# Altium PCB SPG_300.PcbDoc (part 6 of 7) (continued)
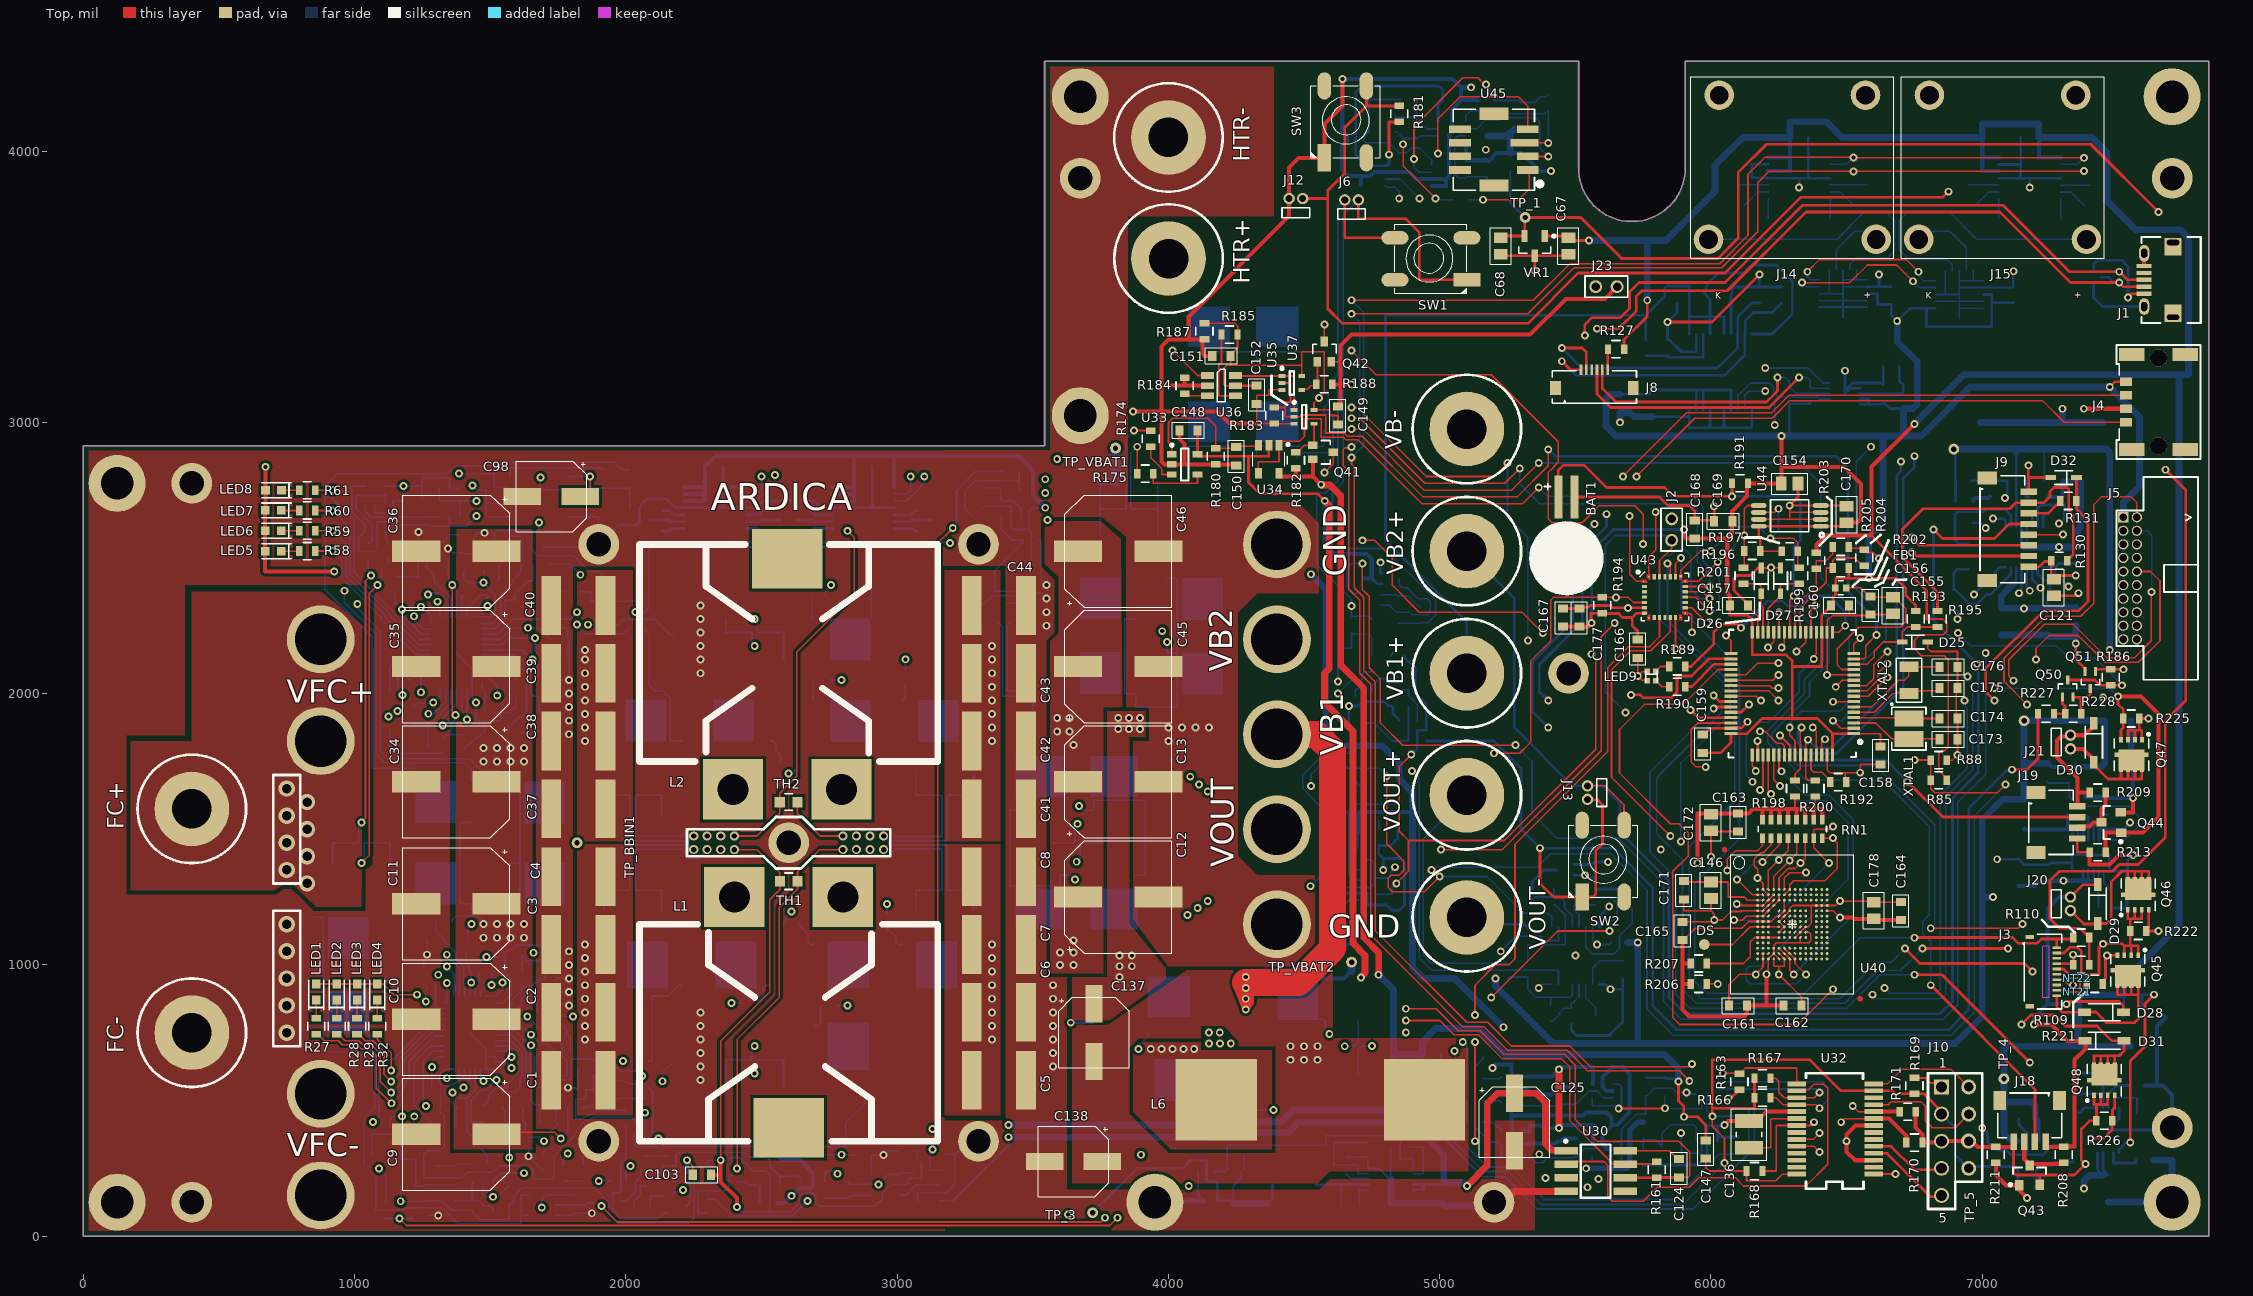
[diagram p0: Top view]
## Nets (pads, with @x,y where several pads share a name; then routed paths per layer and width w, separated by ;. In a path a pad name is that pad's centre, name@x,y a point inside that pad or via, vN(x,y) a via of type N, cw(c..) or ccw(c..) an arc to the next point about the centre after c; other vN are vias at no path point) (continued)
  Top w10: J6.2@4650,3820 4650,3680 SW1.2@4835,3680 ; v1(6820,2605.47) 6853.46,2572.01 7045,2572.01 7098.15,2625.16 J9.4@7171.26,2625.16
  Route2-SIG w250: pad.5@4399.96,2200 4650.02,2200 4725.02,2254.17 VB2+.1@5100,2525
  Route3-GND w250: pad.5@4399.96,2200 4650,2200 4725.01,2254.18 VB2+.1@5100,2525
  Bottom w6: J6.2@4650,3820 4625,3795 4625,3175 4615,3165 4615,3125 4625,3115 4625,2785 4580,2740 4560,2740 4547,2727 4547,2474.57 4675,2346.57 v1(4675,2323.43) R120.2@4675,2284.53 4738.94,2284.53 C120.1@4750,2273.46
  Bottom w10: VB2+.1@5100,2525 5275,2350 5275,1875.04 5490.04,1660 J13.1@5544.84,1660 5600.45,1660 5664.21,1596.24 5664.21,1490 5845,1309.21 5845,880 5905,820 6845,820 6890,865 6890,1613.35 6985,1708.35 6985,2105 v1(6980,2110) 6820,2270 v1(6820,2605.47)
VB2LIM: D15.1 R143.1 R146.2 | length 1514.6
  Route2-SIG w6: v1(1900,203.7) 2051.08,203.7 2172.38,325 2719.01,325 2780,264.01 3074.01,264.01 v1(3130,320)
  Bottom w6: v1(1900,203.7) 1900.24,203.94 D15.1@1949.41,203.94 ; v1(3130,320) 3119.53,309.53 R143.1@3119.53,243.46 R146.2@3175,243.46
VBAT1: NT18.1 Q33.D1 Q33.D2 Q33.D3 Q33.D4 R144.2 R147.2 R162.2 R164.2 TP_VBAT2.1 | length 4108
  Route2-SIG w6: v1(2780,230) 2781.92,230 2797.58,245.66 3420.54,245.66 3615.63,440.75 4240.5,440.75 4415,615.25 4415,708.87 4451.13,745 v1(4593,745)
  Route3-GND w15: v1(4593,745) 4593,650.02 4771.62,471.4 5113.6,471.4 5334.88,250.12 5334.88,196.34 5361.22,170 5459.88,170 v1(5540,250.12)
  Bottom w6: R144.2@2735,199.53 R147.2@2735,240.47 2769.53,240.47 v1(2780,230) ; Q33.D4@4555.12,800 4568.11,800 4577.12,790.99 4577.12,760.88 v1(4593,745) ; NT18.1@4700,760.47 R162.2@4700,793.92 ; R164.2@5750,419.53 R164.2@5750.47,420
  Bottom w15: Q33.D1@4555.12,950 4646.54,950 4675,978.46
  Bottom w20: v1(5540,250.12) 5540.12,250 5688.28,250 5700,261.72 5700,390 5729.53,419.53 R164.2@5750,419.53
  Bottom w30: 4675,978.46 TP_VBAT2.1@4675,1010
VBAT2: C81.1 C86.1 C88.1 C90.1 C92.1 C99.1 C125.1 C137.1 D22.C NT16.2 NT19.2 Q27.D1 Q27.D2 Q27.D3 Q27.D4 Q29.D1 Q29.D2 Q29.D3 Q29.D4 Q35.D1 Q35.D2 Q35.D3 Q35.D4 R66.2 R142.2 R149.2 R172.1 R173.1 TP_VBAT1.1 U4.4 U4.5 U4.6 U5.9 U5.10 U6.9 U6.10 U7.1 U7.10 U7.14 U30.1 | length 11746.6
  Top w25: v1(5100,185.47) 5175,260.47 5175,488 5213.87,526.87 C125.1@5275,526.87 5354.87,526.87 5390,491.73 5390,340 5413.72,316.28 5465.45,316.28 U30.1@5466.73,315
  Route2-SIG w25: v1(7154.11,2314.21) 7325.79,2314.21 7405,2235 7405,2024.53 v1(7444.53,1985) ; v1(7300,1310) 7675,1310 7730,1255 7730,645 7490,405 7490,242.2 7422.8,175 v1(7375,175)
  Route3-GND w10: v1(7040,2645) 7000,2645 6975,2620 6975,2580 7100,2455 7100,2350 7135.79,2314.21 v1(7154.11,2314.21)
  Route3-GND w15: v1(3410,364.69) 3565,364.69 3640,439.69 v1(3640,786.84)
  Route3-GND w25: v1(5100,185.47) 5139.53,225 5258.02,225 5346.22,136.8 6769.42,136.8 6815,91.22 7291.22,91.22 v1(7375,175) ; v1@7300,1311.08 v1(7300,1310) 7444.53,1454.53 v1(7444.53,1985)
  Bottom w6: R142.2@3152.46,130.47 3205.47,130.47 3410,335 v1(3410,364.69) ; NT16.2@3489.96,2009.88 3499.96,2009.88 R149.2@3499.96,2106.3 ; R172.1@3748.19,2581.15 3748.19,2681.1 ; R173.1@3748.19,2781.1 3748.19,2681.1 ; NT19.2@3793.78,2681.1 3748.19,2681.1
  Bottom w10: v1(3640,786.84) 3724,786.84 D22.C@3739.96,802.8 ; U5.10@4902.87,170.63 4940,170.63 4940,190.31 ; U5.9@4902.87,190.31 4940,190.31 ; C86.1@5015,219.57 C86.1@5015,209.21 5015,190.31 4940,190.31 ; v1(7040,2645) 7078.07,2645 7085.62,2637.45 7085.62,2614.88 U7.1@7085.7,2614.8 ; 7115,2405 7125.11,2415.11 7125.11,2415.35 U7.14@7125.07,2465.2 ; U7.10@7203.81,2465.2 7203.83,2441.68 7227.91,2417.6 7236.69,2417.6 7250,2404.29 7250,2369.49 7240,2359.49 C90.1@7240,2314.21 ; 7371.47,1310 U4.6@7371.47,1349.88 ; U4.5@7391.16,1349.88 7391.16,1310 7410.84,1310 U4.4@7410.84,1349.88 ; U6.10@7425,307.13 7425,244.8 7445.59,224.21 C88.1@7464.37,224.21 7444.69,243.9 U6.9@7444.69,307.13
  Bottom w15: C81.1@7134.49,1290.79 7135.28,1290 7192.4,1290 7208.56,1306.16 7240.69,1306.16 R66.2@7245,1310.47 7245,1310 v1(7300,1310) 7371.47,1310 7391.16,1310
  Bottom w25: v1(3410,364.69) 4137.07,364.69 4155.08,382.69 4442.69,382.69 4480,420 4895,420 5015,300 C86.1@5015,219.57 ; R173.1@3748.19,2781.1 3805,2781.1 ; C86.1@5015,209.21 5028.09,196.12 5089.35,196.12 v1(5100,185.47) ; 7115,2405 7070,2360 C92.1@7070,2314.21 v1(7154.11,2314.21) C90.1@7240,2314.21 7242.13,2316.34 7342.87,2316.34 C99.1@7345,2318.46 ; v1(7375,175) 7375,205 7394.21,224.21 C88.1@7445.59,224.21
  Bottom w40: 3805,2781.1 TP_VBAT1.1@3805,2905.09
  other v2: 3819.96,955 3819.96,995 3864.96,995 3819.96,1035 3864.96,1035 3814.96,1870 3854.96,1870 3894.96,1870 3814.96,1910 3854.96,1910 3894.96,1910
VBAT2DIFF: C143.1 R141.2 R143.2 U23.1 U31.4 | length 3581.1
  Route2-SIG w6: v1(2930.85,190.69) 2963.52,223.37 3432.8,223.37 3630,420.57 5395.57,420.57 5416.73,441.73 5512.83,441.73 5611.81,342.74 5851.88,342.74 v1(5889.13,380)
  Bottom w6: R141.2@2820,200 2829.31,190.69 v1(2930.85,190.69) 2967.56,227.4 U23.1@3006.77,227.4 3013.52,234.15 3051.16,234.15 R143.2@3060.47,243.46 ; v1(5889.13,380) 5890,379.13 C143.1@5890,329.41 5890,305 5965.31,305 U31.4@5965.31,350.51
VFC+: FC+.1 NT13.2 pad.7 Q25.D1 Q25.D2 Q25.D3 Q25.D4 Q26.D1 Q26.D2 Q26.D3 Q26.D4 R111.1 R112.1 R117.2 | length 864.4
  Route2-SIG w6: v1(1068.46,420.57) 1068.46,271.28 v1(1089.75,250)
  Bottom w6: R112.1@918.66,1375 918.66,1450 1014.96,1450 NT13.2@1014.96,1470 ; Q25.D4@1055.08,750 1055.08,727.38 1090,692.46 1090,442.1 v1(1068.46,420.57) ; v1(1089.75,250) 1115,224.75 R117.2@1115,124.53 R117.2@1115,119.53
  other v4: 824.96,1300 749.96,1350 824.96,1400 749.96,1450 824.96,1500 749.96,1550 824.96,1600 749.96,1650
VFCBBEN: Q21.S1 Q21.S2 Q21.S3 Q22.S1 Q22.S2 Q22.S3 Q23.S1 Q23.S2 Q23.S3 Q24.S1 Q24.S2 Q24.S3 R113.2 U19.5 U19.6 | length 2160.2
  Route2-SIG w6: v1(962.34,2379.06) 962.34,2412.34 1353.74,2803.74 1353.74,2826.89 1369.57,2842.72 1396.3,2842.72 1434.82,2804.2 v1(1434.82,2766.73)
  Bottom w6: v1(962.34,2379.06) 962.34,2336.93 1080,2219.27 1080,1777 1112,1745 1405,1745 1430.08,1719.92 Q22.S1@1430.08,1675 ; v1(1434.82,2766.73) 1449.58,2751.97 R113.2@1480.47,2751.97 1485.21,2751.97 1485.21,2651.92 U19.5@1576.95,2651.92 ; 1485.47,2701.92 U19.6@1576.95,2701.92
VFCIS: D18.A NT14.2 Q22.D1 Q22.D2 Q22.D3 Q22.D4 Q23.D1 Q23.D2 Q23.D3 Q23.D4 R111.2 R112.2 | length 2686.7
  Bottom w6: NT14.2@1034.96,1425 1034.96,1450 1131.26,1450 R112.2@1131.26,1375 ; Q22.D4@1219.84,1675 1219.84,1725 1065,1725 1065,2210 890,2385 890,2765 935,2810 1340,2810 1370,2840 1550,2840 1563,2853 1957,2853 1985.2,2824.8 D18.A@2014.96,2824.8
VOUT: D16.C pad.4 Q16.D1 Q16.D2 Q16.D3 Q16.D4 Q18.D1 Q18.D2 Q18.D3 Q18.D4 R97.2 TZ1.C VOUT+.1 | length 2424.8
  Route2-SIG w250: pad.4@4399.96,1500 4775,1500 VOUT+.1@5100,1625
  Route3-GND w250: pad.4@4399.96,1500 4775,1500 VOUT+.1@5100,1625
  Bottom w6: VOUT+.1@5100,1625 4940,1465 4940,1035 4968.94,1006.06 R97.2@5250,1006.06
VOUTLIM: C22.1 C55.1 R17.1 R24.2 R84.2 U1.6 U3.6 | length 3651.7
  Route2-SIG w6: v1(1124.72,1915.26) 1155,1884.98 1155,880.07 1334.28,700.79 v1@1650.4,700.79
  Route3-GND w6: v1(1124.72,1915.26) 1131.22,1915.26 1141.48,1905 1186.26,1905 1273,1991.74 1273,2035.38 1347.62,2110 1640.16,2110 v1(1655.16,2125)
  Bottom w6: U3.6@1469.45,2159.84 1620.32,2159.84 v1(1655.16,2125) 1676.54,2103.62 C55.1@1676.54,2055 ; U1.6@1519.45,759.84 1588.58,759.84 1644.85,703.57 v1(1650.4,703.57) 1648,701.17 1648,588.18 1679.96,556.22 C22.1@1679.96,550.85 ; C22.1@1680.8,550 C22.1@1679.96,550.85 ; R84.2@2000,464.53 1905,464.53 1832,432.41 1815,432.41 1815,505 1842.57,505 1852.57,515 1852.57,540 R24.2@1879.66,540 1879.66,589.15 1889.01,598.5 R17.1@1889.01,643.5 1879.51,653 1798,653 1798,577 1724.26,577 1714.27,567.01 1714.27,547.24 C22.1@1680.8,547.24 1679.96,548.09 C22.1@1679.96,550.85
VTEMP: C105.1 Q14.2 Q15.2 U9.1 U9.4 | length 725.3
  Bottom w6: Q14.2@2094.68,246.5 2094.68,236.87 2098.09,233.46 2131.87,233.46 Q15.2@2135.27,230.06 ; Q15.2@2135.27,228.5 Q15.2@2135.27,230.06 ; 2135.32,259.61 2135.27,259.56 ; 2185,259.13 2184.57,259.56 ; U9.1@2567.4,188.23 2567.4,220.44 ; C105.1@2645,209.37 2633.94,220.44 2567.4,220.44 ; Q15.2@2135.27,230.06 2135.27,259.56 ; 2135.27,259.56 2184.57,259.56 ; 2184.57,259.56 2185,259.99 2185,300.61 2193.39,309 2436.87,309 2436.81,308.94 2453.97,291.77 U9.4@2491.22,291.77 2518.23,291.77 2530,280 2530,257.84 2567.4,220.44
pads on no net: J1.4 J1.8 J1.9 J3.3 J3.8 J3.11 J3.12 J4.13 J4.MT1 J4.MT2 J4.MT3 J4.MT4 J5.6 J5.7 J5.8 J5.9 J5.11 J5.12 J5.13 J5.14 J5.16 J5.18 J5.20 J8.3 J8.7 J8.8 J9.9 J9.10 J14.3 J14.4 J15.3 J15.4 J18.5 J18.6 J19.5 J19.6 L1.3 L2.3 SW1.3 SW1.4 SW2.3 SW2.4 SW3.3 SW3.4 U1.20 U1.24 U3.20 U3.24 U4.7 U4.10 U4.11 U4.12 U4.19 U4.21 U4.22 U4.23 U4.24 U5.8 U6.8 U15.14 U18.5 U19.3 U21.6 U21.15 U22.6 U30.3 U30.5 U31.2 U32.2 U32.6 U32.7 U32.12 U32.22 U32.25 U32.26 U32.27 U38.11 U38.12 U38.14 U38.15 U39.11 U39.12 U39.14 U39.15 U40.A1 U40.A8 U40.A9 U40.A10 U40.A11 U40.A12 U40.A13 U40.A14 U40.B7 U40.B8 U40.B9 U40.B10 U40.B11 U40.B12 U40.B13 U40.B14 U40.C7 U40.C8 U40.C9 U40.C10 U40.C11 U40.C12 U40.C13 U40.C14 U40.E5 U40.E8 U40.E9 U40.E10 U40.E12 U40.E13 U40.F3 U40.F7 U40.F8 U40.F9 U40.F10 U40.F12 U40.F13 U40.F14 U40.G6 U40.G7 U40.G8 U40.G9 U40.G10 U40.G12 U40.G13 U40.G14 U40.H7 U40.H8 U40.H9 U40.H12 U40.H13 U40.H14 U40.J1 U40.J2 U40.J3 U40.J6 U40.J7 U40.J8 U40.J12 U40.J13 U40.J14 U40.K6 U40.K7 U40.K10 U40.K12 U40.K13 U40.K14 U40.L1 U40.L2 U40.L3 U40.L12 U40.L13 U40.L14 U40.M1 U40.M2 U40.M3 U40.M7 U40.M8 U40.M9 U40.M10 U40.M11 U40.M12 U40.M13 U40.M14 U40.N1 U40.N3 U40.N8 U40.N9 U40.N10 U40.N11 U40.N12 U40.N13 U40.N14 U40.P1 U40.P9 U40.P10 U40.P11 U40.P12 U40.P13 U40.P14 U42.3 U42.5 U43.2 U43.3 U43.4 U43.8 U43.9 U43.11 U43.14 U43.17 U43.25 U43.27 U45.5 U45.6 U45.7 U45.8 U45.9 U45.10 U45.11
copper on no net: | length 83.4
  Top w6: 2599.96,400 2599.96,415.57 2603.49,419.1
  Top w10: 6055,1424.99 ccw(c6050,1424.99) 6055,1424.99 ; 6555,874.99 ccw(c6550,874.99) 6555,874.99
  other v3: 2349.56,1425 2849.92,1425 2349.56,1475 2849.92,1475

## Polygon pours and split planes (outlines as drawn)
NetC16_2 on Bottom "Polygon_1_Net_N$189" (solid, remove dead copper, pour order 35): 2669.96,1380 2929.96,1380 2929.96,1105 3016.71,1105 3044.96,1082.4 3044.96,685 3229.96,685 3229.96,350 2804.96,350 2804.96,570 2729.96,570 2729.96,825 2804.96,825 2804.96,875 2729.96,875 2729.96,1092.66 2669.96,1142.66
NetD2_A on Bottom "Polygon_1_Net_N$187" (solid, remove dead copper, pour order 15): 2120,350 2120,529.53 2230.08,529.53 2230.08,412.69 2499.96,412.69 2499.96,640 2544.96,640 2544.96,660 2499.96,660 2499.96,720 2499.96,835 2509.96,835 2509.96,1105 2697.03,1105 2719.96,1082.07 2719.96,555.12 2789.96,555.12 2789.96,350
BBINM on Bottom "Polygon_1_Net_N$182" (solid, remove dead copper, pour order 26): 2049.96,1420 2049.96,1285 2089.96,1285 2089.96,1265 2049.96,1265 2049.96,1240.39 1957.32,1105 1819.96,1105 1819.96,675 2080.21,675 2080.21,885 2164.96,885 2164.96,1107.45 2254.96,1172.91 2254.96,1420
VFC+ on Bottom "Polygon_1_Net_VFC+" (solid, remove dead copper, pour order 48): 1050.35,2207.56 902.19,2350 175,2350 175,1250 767.46,1250 819.96,1197.5 819.96,1167.5 879.96,1167.5 894.96,1152.5 894.96,1122.5 894.96,662.5 1204.96,662.5 1204.96,1109.57 999.96,1314.57 999.96,1440 954.96,1440 954.96,1460 999.96,1460 999.96,1629.96 1050.35,1680.35
BBOUTM on Bottom "Polygon_1_Net_N$183" (solid, remove dead copper, pour order 22): 3374.96,695 3374.96,1105 3252.15,1105 3184.96,1177.79 3184.96,1265 3104.96,1265 3104.96,1285 3149.96,1285 3149.96,1414 2994.96,1414 2994.96,1142.54 3059.96,1092.54 3059.96,695 3244.96,695
BBOUT on Bottom "Polygon_1_Net_BBOUT" (solid, remove dead copper, pour order 36): 3669.96,980 3669.96,1280 3399.96,1280 3399.96,1619.88 3669.96,1619.88 3669.96,1902.07 3582.03,1990 3509.96,1990 3509.96,1930 3490.04,1930.08 3489.83,1975 3389.96,1975 3389.96,1780 3244.96,1780 3194.96,1730 3194.96,1635 3244.96,1635 3244.96,1615 3199.96,1615 3199.96,1285 3244.96,1285 3244.96,1265 3199.96,1265 3199.96,1184.19 3257.73,1120 3394.96,1120 3394.96,980
NetC14_2 on Bottom "Polygon_1_Net_N$185" (solid, remove dead copper, pour order 21): 2544.96,1380 2544.96,1120 2494.96,1120 2494.96,892.93 2487.03,885 2365.02,885 2365.02,865 2272.03,865 2234.96,827.93 2234.96,545 2110,545 2110,870 2159.96,870 2189.96,900 2239.96,900 2239.96,950 2179.96,950 2179.96,1102.56 2269.96,1167.56 2269.96,1380
GND on Bottom "Polygon_1_Net_GND" (solid, remove dead copper, pour order 8): 2244.96,2450 2449.96,2450 2449.96,2235 2404.96,2235 2404.96,2215 2449.96,2215 2449.96,2045 2277.89,2045 2244.96,2077.93
GND on Bottom "Polygon_2_Net_GND" (solid, remove dead copper, pour order 9): 2244.96,822.07 2277.89,855 2449.96,855 2449.96,660 2404.96,660 2404.96,640 2449.96,640 2449.96,425.57 2244.96,425.57
GND on Bottom "Polygon_3_Net_GND" (solid, remove dead copper, pour order 50): 20,1225 749.35,1225 804.93,1164.35 804.86,1150 874.96,1150 874.96,925 800,925 800,875 874.96,875 874.96,665 1060,665 1060,20 20,20
GND on Bottom "Polygon_7_Net_GND" (solid, remove dead copper, pour order 4): 3930,1818.29 3930,1935 4229.96,1935 4229.96,1645 4148.21,1645
GND on Bottom "Polygon_8_Net_GND" (solid, remove dead copper, pour order 17): 4554.96,1207.08 4462.03,1300 4332.89,1300 4257.89,1225 4148.42,1225 3989.96,1117.65 3989.96,1010 4554.96,1010
GND on Bottom "Polygon_9_Net_GND" (solid, remove dead copper, pour order 11): 3394.96,965 3394.96,605 3599.96,605 3599.96,965
GND on Bottom "Polygon_11_Net_GND" (solid, remove dead copper, pour order 7): 4109.96,525 4109.96,635 4129.96,635 4129.96,775 4129.96,1020 4249.96,1020 4249.96,525
VBAT1 on Bottom "Polygon_1_Net_VBAT1" (solid, remove dead copper, pour order 12): 4800,980 4386.93,980 4386.93,765 4540,765 4580,725 4800,725
VBAT2 on Bottom "Polygon_1_Net_VBAT2" (solid, remove dead copper, pour order 25): 3914.55,1850 3684.55,1850 3684.55,1907.93 3582.6,2009.88 3509.55,2009.88 3509.55,2070 3489.71,2070 3489.43,2025 3419.55,2025 3419.55,2220 3584.73,2220 3585.14,2810.18 3649.96,2875 3830,2875 3830,2695 3760,2695 3760,2665 3839.55,2665 3839.55,1935 3914.55,1935
VBAT2 on Bottom "Polygon_3_Net_VBAT2" (solid, remove dead copper, pour order 18): 3614.96,685 3614.96,965 3684.96,965 3684.96,1055 3974.96,1055 3974.96,995 4114.96,995 4114.96,794.21 3849.96,794.21 3849.96,685
NetC137_2 on Bottom "Polygon_2_Net_N$59" (solid, remove dead copper, pour order 13): 4264.96,750.47 4264.96,499.21 4800,499.21 4800,675 4609.84,675 4535.27,748.37
BBIN on Bottom "Polygon_1_Net_BBIN" (solid, remove dead copper, pour order 37): 2005.21,1705 1947.5,1780 1809.96,1780 1809.96,1830 1444.96,1830 1444.96,1720 1574.59,1720 1623.63,1680.77 1623.63,1200.74 1602.89,1180 1457.46,1180 1457.46,1070 1809.96,1070 1809.96,1120 1952.56,1120 2005.21,1195 2005.21,1265 1959.96,1265 1959.96,1285 2005.21,1285 2005.21,1615 1959.96,1615 1959.96,1635 2005.21,1634.74
NetC50_2 on Bottom "Polygon_1_Net_N$80" (solid, remove dead copper, pour order 34): 2669.96,1520 2929.96,1520 2929.96,1738.06 2982.16,1795 3044.96,1795 3044.96,1950 2999.45,1950 2999.45,2140 3229.96,2140 3229.96,2525.47 2899.92,2525.47 2899.92,2315 2729.96,2315 2729.96,2065 2794.96,2065 2794.96,2015 2729.96,2015 2729.96,1780 2669.96,1780
NetD7_A on Bottom "Polygon_1_Net_N$151" (solid, remove dead copper, pour order 14): 2719.96,1795 2719.96,2250 2655,2250 2655,2327.5 2885,2327.5 2884.97,2525 2100,2525 2100,2475 2100,2310 2228.58,2310 2228.62,2465 2499.96,2465 2499.96,2235 2544.96,2234.84 2544.96,2215.16 2499.96,2215 2499.96,2180 2499.96,2045 2504.96,2045 2504.96,1850 2569.96,1850 2569.96,1795
BBINS on Bottom "Polygon_1_Net_N$165" (solid, remove dead copper, pour order 27): 2169.96,2008.31 2152.46,2031.64 2079.96,2031.64 2079.96,2206.64 1819.96,2206.64 1819.96,1796.64 1952.43,1796.64 2019.96,1705 2019.96,1635 2089.96,1635 2089.96,1615 2049.96,1615 2049.96,1480 2254.96,1480 2254.96,1720.08 2169.96,1800
BBOUTS on Bottom "Polygon_1_Net_N$167" (solid, remove dead copper, pour order 24): 2979.96,1510.24 2979.96,1780 3054.96,1780 3054.96,2130 3244.96,2130 3244.96,2220 3374.96,2220 3374.96,1795 3237.46,1795 3179.96,1737.5 3179.96,1635 3104.96,1635 3104.96,1615 3149.96,1615 3149.96,1485 3005.12,1485 2994.96,1495
NetC48_2 on Bottom "Polygon_1_Net_N$201" (solid, remove dead copper, pour order 20): 2529.96,1520 2529.96,1766.88 2494.96,1806.88 2494.96,2030 2277.03,2030 2229.96,2077.07 2229.96,2295 2100.43,2295 2100,2035 2115,2021.7 2148.6,2021.7 2179.96,1990.34 2179.96,1817.93 2202.89,1795 2269.96,1730 2269.96,1520
no net on Bottom "Polygon_1_Net_N$103" (solid, remove dead copper, pour order 2): 1399.96,1455 1599.96,1455 1599.96,1400 1534.96,1400 1534.96,1350 1599.96,1350 1599.96,1195 1514.96,1195 1514.96,1250 1399.96,1250
VB1 on Bottom "Polygon_1_Net_VB1" (solid, remove dead copper, pour order 39): 4469.99,1695 4555.38,1780.39 4557.68,2005 4360.85,2005 4247.52,1920 4247.52,1695
VB2 on Bottom "Polygon_1_Net_VB2" (solid, remove dead copper, pour order 33): 4044.96,2480 4252.03,2480 4352.03,2380 4554.96,2380 4554.96,2020 4351.62,2020 4258.29,1950 4044.96,1950
IOS+ on Bottom "Polygon_1_Net_IOS+" (solid, remove dead copper, pour order 6): 3424.96,1595 3424.96,1305 3639.96,1305 3639.96,1440 3594.96,1440 3594.96,1460 3639.96,1460 3639.96,1595
IOS- on Bottom "Polygon_1_Net_IOS-" (solid, remove dead copper, pour order 5): 3689.96,1594.8 3689.96,1460 3734.96,1460 3734.96,1440 3689.96,1440 3689.96,1305 3904.96,1305 3904.96,1594.8
VOUT on Bottom "Polygon_1_Net_VOUT" (solid, remove dead copper, pour order 41): 3684.96,1835 3684.96,1620 3929.96,1620 3929.96,1279.48 3684.96,1279.48 3684.96,1070 3893.53,1070 4143.53,1245 4252.03,1245 4327.03,1320 4529.05,1320 4545,1335.94 4545,1580 4445,1680 4244.96,1680 4244.96,1630 4141.72,1630 3886.72,1835
NetD19_C on Bottom "Polygon_1_Net_N$106" (solid, remove dead copper, pour order 10): 3849.96,2455.47 3849.96,2300 3914.96,2300 3914.96,2250 3859.96,2250 3859.96,2025 3914.96,2025 3914.96,1955 4014.96,1955 4014.96,2125 3959.96,2125 3959.96,2175 4014.96,2175 4014.96,2400 3959.96,2400 3959.96,2455.47
NetC124_1 on Bottom "Polygon_1_Net_N$2" (solid, remove dead copper, pour order 32): 3245,444.88 3245,680 3379.96,680 3379.96,585 3614.96,585 3614.96,674.53 3864.96,674.53 3864.96,780 4114.96,780 4114.96,650 4097.2,650 4097.2,444.88
GND on Bottom "Bottom-GND" (solid, pour order 54): 20,2375 20,1225 160,1225 160,2375 860,2375 860,2895 20,2895
VFCBBEN on Bottom "Polygon_2_Net_N$103" (solid, remove dead copper, pour order 3): 1405.27,1705 1534.96,1705 1534.96,1650 1595.69,1650 1595.69,1195 1403.95,1195 1403.95,1500 1464.96,1500 1464.96,1550 1405.27,1550
VFCIS on Bottom "Polygon_1_Net_VFCSW" (solid, remove dead copper, pour order 19): 1376.57,1730 1376.57,1194.67 1266.77,1194.67 1266.77,1138.85 1201.25,1138.75 1145.33,1194.67 1049.96,1290.04 1049.96,1440 1094.96,1440 1094.96,1460 1049.96,1460 1049.96,1654.96 1064.94,1669.94 1065,1730 1125,1730
VB1 on Bottom "Bottom-VB1" (solid, pour order 59): 4265,765 4375,765 4375,926.42 4305,926.42 4305,995 4265,995
NetNT20_2 on Bottom "Bottom-NetNT20_2" (solid, pour order 74): 3855,2472.5 3855,2665 3950,2665 3950,2695 3875,2695 3875,2897.5 4525.04,2897.5 4525.04,2697.5 4250.04,2697.5 4250.04,2472.5
NetQ37_D1 on Bottom "Bottom-NetQ37_D1" (solid, pour order 76): 3900,2927.76 4525.04,2927.76 4525.04,3250 3900,3250
HTR+ on Bottom "Bottom-NetD24_C" (solid, pour order 78): 3850,3275 4525,3275 4525,3760 3850,3760
GND on Bottom "Bottom-GND 1" (solid, pour order 80): 3590.04,4310.02 3590.04,2910.02 3730.04,2910.02 3835,3014.98 3835,3775.02 4525.04,3775.02 4525.04,4310.02
BBINM on Top "Polygon_2_Net_N$182" (solid, remove dead copper, pour order 29): 1819.96,1445 2025,1445 2025,445 1819.96,445
VFC+ on Top "Polygon_4_Net_VFC+" (solid, remove dead copper, pour order 43): 400,2375 876.34,2375 1030,2249.23 1025,1215 858.09,1215 774.79,1295 736.43,1295 703.57,1275 175,1275 175,1825 400,1825
BBOUTM on Top "Polygon_2_Net_N$183" (solid, remove dead copper, pour order 28): 3379.96,1445 3379.96,445 3175,445 3175,1445
BBOUT on Top "Polygon_2_Net_BBOUT" (solid, remove dead copper, pour order 40): 3750,2635 3544.96,2635 3544.96,2477.93 3594.96,2427.93 3594.96,2222.07 3564.96,2192.07 3564.96,970 3759.96,970 3759.96,1950 3829.96,1950 3825,2569.76
GND on Top "Polygon_6_Net_GND" (solid, remove dead copper, pour order 52): 20,20 20,2400 375,2400 375,1845 160,1845 160,1260 710,1260 740,1280 765,1280 790,1260 850,1200 1039.47,1200 1039.47,1350 1065.12,1369.77 1070,2400 20,2400 20,2895 1130,2895 1130,20
GND on Top "Polygon_10_Net_GND" (solid, remove dead copper, pour order 44): 3170,22.5 3170,425 3400,425 3400,2472.01 3170,2472.01 3170,2897.5 3540,2897.5 3565.04,2897.5 3565.04,4310 3850,4310 4387.32,4310 4387.32,3760 3850,3760 3850,2572.26 3755.04,2652.5 3530,2652.5 3530,2469.12 3580,2419.12 3580,2225 3550,2195 3550,953.9 3625,953.9 3625,170.35 4555.35,170.35 4595.47,210.47 5205,210.47 5205,425 5350,425 5350,22.5 3635,22.5
GND on Top "Polygon_12_Net_GND" (solid, remove dead copper, pour order 42): 2025,20 1130,20 1130,305 1130,1450 1350,1450 1350,305 1669.96,305 1669.96,2620 1350,2620 1350,1450 1130,1450 1130,2620 1130,2895 2025,2895 2025,2470 1804.96,2470 1804.96,430 2025,430
GND on Top "Polygon_13_Net_GND" (solid, remove dead copper, pour order 49): 3869.96,1166.05 3999.96,995 4540,995 4540,1330 4327.03,1330 4254.96,1402.07 4254.96,2297.93 4327.03,2370 4554.96,2370 4554.96,2627.07 4477.03,2705 3844.96,2705 3844.96,1950 3929.96,1950 3929.96,1825 3869.96,1825
VBAT2 on Top "Polygon_2_Net_VBAT2" (solid, remove dead copper, pour order 16): 3774.96,1935 3914.96,1935 3914.96,1840 3854.96,1840 3854.96,1153.51 3990.5,985 3990.5,944.24 3889.96,872.43 3781.56,795 3644.96,795 3644.96,955 3774.96,955
NetC137_2 on Top "Polygon_1_Net_N$59" (solid, remove dead copper, pour order 45): 3644.96,780 3644.96,195 4550,195 4595,240 5104.96,240 5104.96,730 4604.96,730 4604.96,980 4395,980 4395,305 4002.03,305 3854.96,452.07 3854.96,730 3854.96,695 3889.96,730 4119.96,730 4119.96,775 4203.51,775 4259.96,718.45 4259.96,700 4395,700 4395,980 4068.4,980 3778.4,780
BBIN on Top "Polygon_2_Net_BBIN" (solid, remove dead copper, pour order 47): 1654.96,2605 1375.7,2605 1370.69,599.27 1379.96,590 1379.96,515 1364.96,500 1364.96,320 1654.96,320
BBINS on Top "Polygon_2_Net_N$165" (solid, remove dead copper, pour order 31): 1819.96,1455 1819.96,2455 2025,2455 2025,1455
BBOUTS on Top "Polygon_2_Net_N$167" (solid, remove dead copper, pour order 30): 3379.96,1455 3379.96,2455 3175,2455 3175,1455
NetC124_1 on Top "Polygon_2_Net_N$2" (solid, remove dead copper, pour order 23): 3869.96,457.93 3869.96,685 3899.96,715 4119.96,715 4119.96,685 4379.96,685 4379.96,320 4007.89,320
no net on Top "Top-No Net 1" (solid, pour order 56): 7978.16,746.48
no net on Top "Top-No Net" (solid, pour order 58): 7986,750
GND on Top "Top-GND" (solid, pour order 72): 2025,2895 3175,2895 3175,20 2025,20
VFC+ on Route3-GND "Polygon_2_Net_VFC+" (solid, remove dead copper, pour order 38): 175,2375 175,1305 767.89,1305 852.89,1220 1029.96,1220 1029.96,2275.45 906.55,2375
GND on Route3-GND "Polygon_Plane3_Net_GND" (solid, remove dead copper, pour order 60): 20,25 20,1275 774.85,1275 852.66,1199.21 1050,1200 1050,1001.87 1050,2402.16 160,2402.16 160,1275 20,1275 20,2400 20,2890 3565,2895 3564.02,4310 5490,4310 5490,3700 5925,3700 5925,4310 7814.82,4310 7814.82,19.82
DGND on Route3-GND "L3-DGND" (solid, pour order 0): 5625,249.13 7500,249.13 7500,625 7750,625 7750,3750 7525,3750 7525,4100 6175,4100 6175,3550 5625,3550
VFC+ on Route2-SIG "Polygon_3_Net_VFC+" (solid, remove dead copper, pour order 46): 175,2375 874.96,2375 1029.96,2250.04 1029.96,1220 852.89,1220 767.89,1305 175,1305
GND on Route2-SIG "Polygon_Plane2_Net_GND" (solid, remove dead copper, pour order 70): 16.2,27.82 16.2,1277.82 771.04,1277.82 848.86,1202.03 1046.2,1202.82 1046.2,1004.69 1046.2,2404.98 160,2404.98 160,1277.82 16.2,1277.82 16.2,2402.82 16.2,2892.82 3561.2,2897.82 3560.22,4312.82 5486.2,4312.82 5486.2,3702.82 5921.2,3702.82 5921.2,4312.82 7811.02,4312.82 7811.02,22.65

## Keep-outs
Keep-Out Layer:
  the board outline again, w5

## Silkscreen, mask and mechanical layers (free items; w line width, h text height)
Top Overlay, White:
  circle w150: c5466.73,2498.54 r60
  lines w10: 4380,3171.5 4380,3170 4380,3101.69 4438.5,3065 ; 6055,2260 6180,2275 6180,2335 ; 6125,2575 6185,2575 6250.79,2555 ; 6350,200 6350,175 6425,175 6425,200 6485,200 6485,175 6562.1,175 6562.1,200 ; 6350,583.39 6350,600 6560,600 6560,580 ; 6400,2545.94 6445,2590 6445,2710 6427.95,2725 ; 6522.48,2395 6550,2420 6615,2420.24 6650,2500 ; 6530,2440 6600,2440 6654.53,2565 ; 6535,2555 6570,2582.68 ; 6590,2555 6625,2585 ; 6605,2395 6635,2409.65 6655,2455 ; 6669.54,2401.9 6682.28,2420 6720,2420.24 ; 7220,1165 7244.37,1140 7320,1139.89 7340,1120 ; 7335.24,770 7335,860 7379.76,898.03 ; 699.96,700 699.96,1200 799.96,1200 799.96,700 699.96,700 ; 699.96,1300 699.96,1700 799.96,1700 799.96,1300 699.96,1300 ; 2224.96,1400 2224.96,1500 2507.66,1500 2552.66,1545 2650.16,1545 2695.16,1500 2974.96,1500 2974.96,1400 2690.16,1400 2645.16,1355 2552.66,1355 2507.66,1400 2224.96,1400 ; 6800,100 6900,100 6900,200 7000,200 7000,600 6800,600 6800,100
  lines w25: 2255,1750 2050,1750 2050,2550 2440,2550 ; 2265,1150 2050,1150 2050,350 2450,350 ; 2295,1785 2295,1900 2465,2020 ; 2295,2550 2295,2395 2465,2275 ; 2305,350 2305,505 2475,625 ; 2305,1120 2305,1000 2475,880 ; 2725,2020 2895,1900 2895,1780 ; 2725,2275 2895,2395 2895,2550 ; 2735,625 2905,505 2905,350 ; 2735,880 2905,1000 2905,1115 ; 2750,2550 3150,2550 3150,1750 2935,1750 ; 2760,350 3150,350 3150,1150 2945,1150
  text "ARDICA" at 2313.46,2675 h100
  text "GND" at 4655,2430 h85 r90
  text "VB2" at 4235,2080 h85 r90
  text "VFC+" at 749.96,1966.48 h85
  text "VB1" at 4645,1770 h85 r90
  text "VOUT" at 4240,1360 h85 r90
  text "GND" at 4590,1100 h85
  text "1" at 6840,619.88 h35
  text "VFC-" at 749.96,294.4 h85
  text "5" at 6840,50 h35
Bottom Overlay, White:
  circle w10: c1735,180 r5.01
  lines w7: 6880,2840 6970.04,2840 7005.04,2805 ; 7184.13,2814.06 7205.07,2835 7374.32,2835 ; 7192.28,2735 7202.28,2745 7202.76,2745 7365,2745 7385,2725 ; 7255,2643.74 7293.27,2605.47 7371.47,2605.47
  lines w10: 1180,35 1180,95 1200,120 1225,125 ; 1636.69,955.71 1636.69,970 1679.67,995 1680,1080 ; 1636.69,995 1659.96,1010 1659.96,1070 1650.94,1080 ; 1725,305 1745.24,305 ; 1760,2270 1870,2230 ; 1760,2320 1875,2270 ; 1832.06,2344.88 1874.4,2310 ; 2090,675 2110,685 2225,685 ; 2108.46,430 2123.46,415 2225,415 ; 2110,330 2140,330 2170,365 ; 3140,220 3215,220 ; 4639.41,2065 4655,2035 4690.59,2035 4724.06,2060 ; 4665,2340 4710,2305 ; 4670,3993.58 4865,3990.47 4900,4009.49 ; 4735,4245 4790,4245 4815,4217.81 4815,4159.02 ; 5190,910 5293.5,910 5315,930 ; 5205,4121.65 5225,4155 5225,4245 5240,4260 ; 5280,1350 5335,1305 ; 5340.47,1365 5420,1305 ; 5490,755 5515,735 5543.5,735 ; 5520,1300 5530.51,1316.54 5528.9,1398.55 ; 5610,930 5650,900 5721.5,900 ; 5610,1290 5665.24,1325 ; 5670,228.66 5690,327.76 5690,370 5670,395 ; 5675,505 5715,455 5775,455 ; 5715,228.66 5700,300.47 5721.5,360 ; 7070,2475 7055,2475 7055,2595 7070,2595 ; 7240,2474.53 7255,2474.53 7255,2595 7240,2595 ; 7380,1646.62 7395,1665 7517.9,1664.47 ; 7390,1510 7409.06,1495 7506.31,1495 7535,1480 ; 1670,67.34 1710,67.84 1710,160 1670,160 1670,67.34 ; 2224.96,1400 2224.96,1500 2507.66,1500 2552.66,1545 2650.16,1545 2695.16,1500 2974.96,1500 2974.96,1400 2690.16,1400 2645.16,1355 2552.66,1355 2507.66,1400 2224.96,1400
  text "GND" at 5500,2930 h85
  text "VB2" at 5515,2470 h85
  text "VB1" at 5270,1975 h85 r270
  text "VFC+" at 700,1761.15 h85
  text "VOUT" at 5580,1585 h85
  text "GND" at 4870,940 h85
  text "ARDICA" at 6770,770 h100
  text "MFCC Benchtop Board" at 6940,680 h50
  text "Rev. A, 03/2019" at 6940,594.37 h50
  text "VFC-" at 700,499.37 h85